# KiCad board slime88.kicad_pcb (continued)
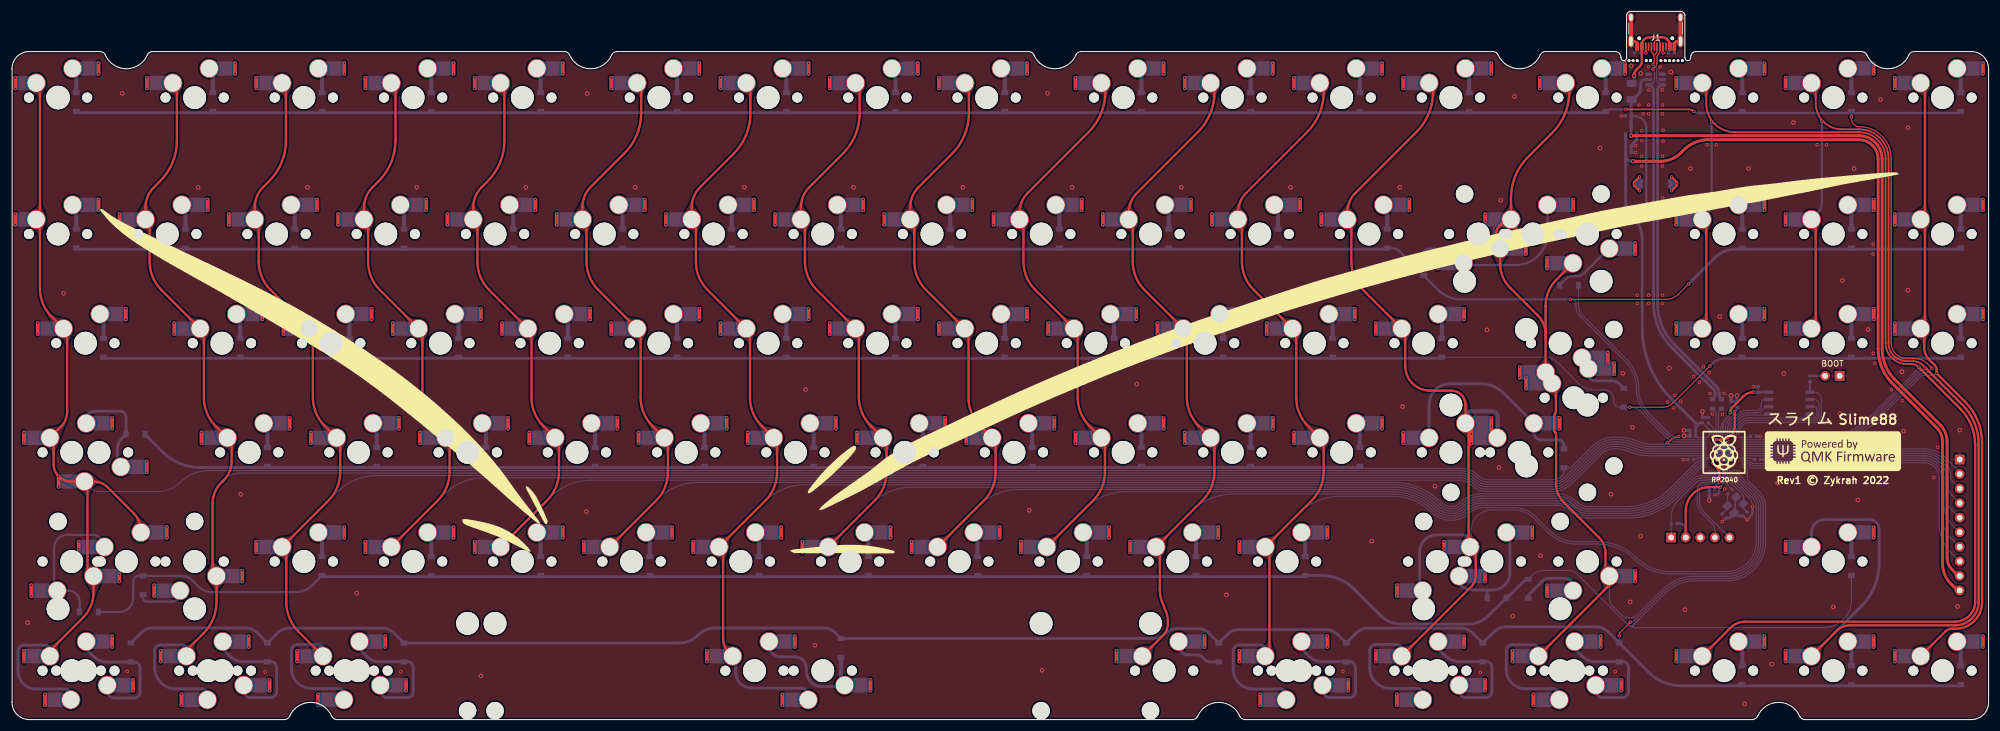
[diagram p0: board, top side]
## Copper pours and planes (outline as drawn; the poured copper is in the pictures) (continued)
COL5 on Top: 99.55,91.1 99.38,90.65 99.23,90.28 99.09,89.96 98.94,89.69 98.8,89.45 98.66,89.21 98.51,88.96 98.35,88.68 98.17,88.36 97.98,87.98 99.46,86.44 100.95,87.98 100.76,88.33 100.56,88.64 100.36,88.9 100.18,89.15 100.02,89.39 99.89,89.64 99.8,89.91 99.78,90.21 99.81,90.56 99.92,90.97
COL5 on Top: 100.38,84.12 100.4,84.56 100.45,84.93 100.53,85.24 100.63,85.51 100.74,85.76 100.85,86 100.95,86.25 101.03,86.54 101.09,86.86 101.11,87.25 99.11,88.01 98.43,85.98 98.68,85.8 98.91,85.64 99.13,85.51 99.34,85.38 99.52,85.25 99.67,85.11 99.8,84.93 99.89,84.72 99.95,84.45 99.98,84.12
COL5 on Top: 109.8,65.03 109.83,65.46 109.88,65.82 109.97,66.13 110.07,66.39 110.18,66.63 110.3,66.87 110.41,67.12 110.51,67.39 110.59,67.72 110.64,68.1 108.68,68.98 107.88,67 108.12,66.79 108.35,66.63 108.57,66.48 108.77,66.34 108.95,66.2 109.1,66.05 109.23,65.86 109.32,65.64 109.38,65.37 109.41,65.03
COL5 on Top: 109.92,107.94 109.94,108.38 109.99,108.75 110.07,109.06 110.17,109.33 110.28,109.58 110.38,109.82 110.48,110.08 110.56,110.36 110.62,110.69 110.64,111.08 108.63,111.82 107.97,109.78 108.22,109.6 108.45,109.45 108.67,109.32 108.88,109.19 109.06,109.06 109.21,108.92 109.34,108.74 109.43,108.53 109.49,108.27 109.52,107.94
COL5 on Top: 114.58,45.98 114.6,46.42 114.65,46.78 114.74,47.08 114.84,47.35 114.95,47.59 115.07,47.83 115.18,48.07 115.28,48.35 115.35,48.67 115.4,49.06 113.44,49.93 112.65,47.94 112.89,47.74 113.12,47.57 113.34,47.43 113.54,47.29 113.72,47.15 113.87,47 114,46.81 114.09,46.59 114.15,46.32 114.17,45.98
COL5 on Top: 106.41,32.58 106.12,32.32 105.85,32.14 105.6,32.02 105.36,31.94 105.12,31.9 104.87,31.88 104.61,31.86 104.33,31.83 104.03,31.77 103.69,31.67 103.64,29.53 105.79,29.57 105.89,29.91 105.94,30.22 105.97,30.5 105.99,30.76 106.02,31.01 106.06,31.25 106.13,31.49 106.25,31.74 106.43,32.01 106.7,32.3
COL5 on Bottom: 106.48,32.51 106.19,32.25 105.91,32.07 105.66,31.96 105.41,31.89 105.16,31.87 104.91,31.86 104.64,31.85 104.35,31.83 104.04,31.77 103.69,31.67 103.64,29.53 105.79,29.57 105.89,29.92 105.94,30.24 105.96,30.53 105.97,30.79 105.98,31.05 106.01,31.29 106.07,31.54 106.18,31.8 106.36,32.07 106.62,32.37
COL6 on Top: 118.6,91.03 118.43,90.59 118.28,90.22 118.14,89.92 118,89.65 117.85,89.41 117.56,88.94 117.39,88.67 117.22,88.36 117.03,87.98 118.52,86.44 120,87.98 119.81,88.33 119.62,88.62 119.42,88.88 119.24,89.12 119.08,89.36 118.95,89.6 118.86,89.86 118.83,90.16 118.86,90.5 118.97,90.9
COL6 on Top: 125.57,70.4 125.83,70.11 126.02,69.84 126.14,69.59 126.21,69.35 126.25,69.11 126.27,68.86 126.29,68.6 126.32,68.32 126.38,68.01 126.48,67.67 128.62,67.63 128.58,69.77 128.24,69.87 127.93,69.93 127.65,69.96 127.39,69.98 127.15,70 126.91,70.04 126.66,70.12 126.41,70.24 126.15,70.42 125.86,70.68
COL6 on Top: 125.46,32.58 125.17,32.32 124.9,32.14 124.65,32.02 124.41,31.94 124.17,31.9 123.92,31.88 123.66,31.86 123.38,31.83 123.08,31.77 122.74,31.67 122.69,29.53 124.84,29.57 124.94,29.91 124.99,30.22 125.02,30.5 125.04,30.76 125.07,31.01 125.11,31.25 125.18,31.49 125.3,31.74 125.48,32.01 125.75,32.3
COL6 on Top: 129.54,52.43 129.83,51.94 130.07,51.52 130.27,51.15 130.43,50.82 130.57,50.51 130.69,50.21 130.81,49.88 130.94,49.52 131.08,49.11 131.24,48.62 133.39,48.58 133.34,50.72 132.87,50.87 132.45,50.98 132.06,51.07 131.71,51.16 131.38,51.26 131.07,51.4 130.77,51.59 130.48,51.85 130.18,52.19 129.88,52.64
COL6 on Top: 128.95,107.93 128.98,108.37 129.03,108.74 129.11,109.05 129.21,109.32 129.32,109.57 129.43,109.81 129.53,110.07 129.61,110.35 129.67,110.68 129.69,111.07 127.68,111.82 127.01,109.79 127.26,109.61 127.49,109.45 127.71,109.32 127.92,109.19 128.1,109.06 128.25,108.91 128.38,108.74 128.47,108.52 128.53,108.26 128.56,107.93
COL6 on Top: 128.88,65.04 128.9,65.48 128.95,65.84 129.04,66.14 129.14,66.41 129.25,66.65 129.37,66.89 129.48,67.14 129.57,67.41 129.65,67.74 129.69,68.12 127.72,68.98 126.95,66.98 127.19,66.78 127.42,66.62 127.64,66.47 127.84,66.34 128.02,66.2 128.17,66.05 128.3,65.87 128.39,65.65 128.45,65.37 128.48,65.04
COL6 on Top: 133.61,45.97 133.63,46.41 133.68,46.77 133.77,47.07 133.87,47.33 133.98,47.57 134.1,47.81 134.22,48.06 134.32,48.33 134.4,48.65 134.45,49.04 132.5,49.93 131.68,47.95 131.92,47.75 132.15,47.58 132.37,47.43 132.57,47.29 132.75,47.15 132.9,46.99 133.03,46.81 133.12,46.59 133.18,46.31 133.2,45.97
COL6 on Top: 123.81,13.82 123.84,13.42 123.87,13.09 123.89,12.8 123.9,12.54 123.93,12.08 123.94,11.84 123.96,11.58 123.99,11.27 124.02,10.92 126.18,10.42 126.36,12.56 126.06,12.68 125.76,12.76 125.47,12.81 125.2,12.86 124.95,12.92 124.72,12.99 124.53,13.11 124.38,13.29 124.27,13.53 124.21,13.86
COL6 on Top: 124.2,26.98 124.22,27.42 124.27,27.78 124.35,28.09 124.45,28.37 124.56,28.61 124.67,28.86 124.77,29.11 124.85,29.39 124.91,29.72 124.93,30.11 122.92,30.86 122.25,28.82 122.5,28.64 122.73,28.49 122.95,28.36 123.16,28.23 123.34,28.1 123.49,27.96 123.62,27.78 123.71,27.57 123.77,27.3 123.8,26.98
COL6 on Top: 119.45,84.14 119.47,84.57 119.52,84.94 119.6,85.25 119.7,85.52 119.8,85.77 119.91,86.01 120.01,86.26 120.09,86.55 120.14,86.87 120.17,87.27 118.15,88 117.5,85.96 117.75,85.79 117.98,85.64 118.2,85.51 118.41,85.38 118.59,85.25 118.74,85.11 118.87,84.93 118.96,84.72 119.02,84.46 119.05,84.14
COL6 on Bottom: 126.87,6.88 126.61,7.35 126.47,7.77 126.44,8.15 126.48,8.5 126.59,8.84 126.74,9.19 126.9,9.55 127.06,9.94 127.2,10.37 127.3,10.87 125.39,11.85 124.49,9.9 124.8,9.56 125.05,9.25 125.24,8.96 125.39,8.68 125.52,8.4 125.65,8.11 125.79,7.8 125.96,7.45 126.17,7.05 126.46,6.6
COL6 on Bottom: 136.97,5.23 137.15,5.2 137.28,5.14 137.36,5.04 137.41,4.91 137.42,4.76 137.41,4.59 137.37,4.41 137.33,4.21 137.28,4.02 137.23,3.84 139.01,2.64 138.83,5.09 138.6,5.11 138.4,5.16 138.23,5.23 138.09,5.32 137.94,5.41 137.8,5.5 137.64,5.59 137.46,5.66 137.24,5.71 136.97,5.73
COL6 on Bottom: 125.53,32.51 125.24,32.25 124.96,32.07 124.71,31.96 124.46,31.89 124.21,31.87 123.96,31.86 123.69,31.85 123.4,31.83 123.09,31.77 122.74,31.67 122.69,29.53 124.84,29.57 124.94,29.92 124.99,30.24 125.01,30.53 125.02,30.79 125.03,31.05 125.06,31.29 125.12,31.54 125.23,31.8 125.41,32.07 125.67,32.37
COL7 on Top: 144.51,32.58 144.22,32.32 143.95,32.14 143.7,32.02 143.46,31.94 143.22,31.9 142.97,31.88 142.71,31.86 142.43,31.83 142.13,31.77 141.79,31.67 141.74,29.53 143.89,29.57 143.99,29.91 144.04,30.22 144.07,30.5 144.09,30.76 144.12,31.01 144.16,31.25 144.23,31.49 144.35,31.74 144.53,32.01 144.8,32.3
COL7 on Top: 148,107.93 148.03,108.37 148.08,108.74 148.16,109.05 148.26,109.32 148.37,109.57 148.48,109.81 148.58,110.07 148.66,110.35 148.72,110.68 148.74,111.07 146.73,111.82 146.06,109.79 146.31,109.61 146.54,109.45 146.76,109.32 146.97,109.19 147.15,109.06 147.3,108.91 147.43,108.74 147.52,108.52 147.58,108.26 147.61,107.93
COL7 on Top: 147.87,65.01 147.89,65.44 147.94,65.8 148.03,66.1 148.13,66.36 148.25,66.6 148.37,66.84 148.49,67.08 148.59,67.35 148.68,67.67 148.73,68.06 146.8,68.99 145.95,67.03 146.19,66.81 146.41,66.64 146.63,66.49 146.83,66.34 147.01,66.2 147.16,66.04 147.29,65.86 147.38,65.63 147.44,65.35 147.46,65.01
COL7 on Top: 144.62,70.4 144.88,70.11 145.07,69.84 145.19,69.59 145.26,69.35 145.3,69.11 145.32,68.86 145.34,68.6 145.37,68.32 145.43,68.01 145.53,67.67 147.67,67.63 147.63,69.77 147.29,69.87 146.98,69.93 146.7,69.96 146.44,69.98 146.2,70 145.96,70.04 145.71,70.12 145.46,70.24 145.2,70.42 144.91,70.68
COL7 on Top: 152.69,45.98 152.71,46.42 152.76,46.78 152.85,47.09 152.95,47.35 153.06,47.59 153.18,47.83 153.29,48.08 153.38,48.36 153.46,48.68 153.5,49.07 151.54,49.93 150.75,47.93 151,47.73 151.23,47.57 151.45,47.42 151.65,47.29 151.83,47.15 151.98,46.99 152.11,46.81 152.2,46.59 152.26,46.32 152.29,45.98
COL7 on Top: 138.46,84.12 138.49,84.55 138.54,84.92 138.62,85.23 138.72,85.5 138.83,85.75 138.94,85.99 139.04,86.24 139.13,86.52 139.19,86.85 139.21,87.24 137.22,88.01 136.52,85.99 136.77,85.8 137,85.65 137.22,85.51 137.43,85.38 137.61,85.25 137.76,85.1 137.89,84.93 137.98,84.71 138.04,84.44 138.06,84.12
COL7 on Top: 137.65,91.04 137.48,90.6 137.33,90.23 137.19,89.92 137.05,89.66 136.9,89.42 136.61,88.94 136.44,88.67 136.27,88.36 136.08,87.98 137.56,86.44 139.05,87.98 138.86,88.33 138.66,88.62 138.47,88.88 138.29,89.13 138.12,89.36 138,89.6 137.91,89.87 137.88,90.16 137.91,90.51 138.02,90.91
COL7 on Top: 148.53,52.49 148.83,51.99 149.08,51.56 149.28,51.19 149.45,50.86 149.59,50.54 149.72,50.23 149.85,49.9 149.98,49.54 150.29,48.62 152.44,48.58 152.39,50.72 151.91,50.88 151.48,50.99 151.09,51.08 150.73,51.18 150.39,51.29 150.08,51.43 149.77,51.62 149.48,51.89 149.18,52.24 148.87,52.7
COL7 on Bottom: 144.58,32.51 144.29,32.25 144.01,32.07 143.76,31.96 143.51,31.89 143.26,31.87 143.01,31.86 142.74,31.85 142.45,31.83 142.14,31.77 141.79,31.67 141.74,29.53 143.89,29.57 143.99,29.92 144.04,30.24 144.06,30.53 144.07,30.79 144.08,31.05 144.11,31.29 144.17,31.54 144.28,31.8 144.46,32.07 144.72,32.37
COL8 on Top: 167.65,52.42 167.94,51.93 168.18,51.51 168.38,51.15 168.54,50.82 168.68,50.51 168.8,50.2 168.92,49.88 169.04,49.52 169.18,49.11 169.34,48.62 171.49,48.58 171.44,50.72 170.97,50.87 170.55,50.98 170.16,51.07 169.81,51.16 169.48,51.26 169.17,51.4 168.88,51.58 168.58,51.84 168.29,52.18 167.99,52.63
COL8 on Top: 166.99,65.04 167.01,65.48 167.06,65.84 167.14,66.14 167.25,66.41 167.36,66.65 167.47,66.89 167.58,67.14 167.68,67.42 167.75,67.74 167.79,68.13 165.82,68.97 165.05,66.97 165.3,66.78 165.53,66.61 165.75,66.47 165.95,66.34 166.13,66.2 166.28,66.05 166.41,65.87 166.5,65.65 166.56,65.37 166.58,65.04
COL8 on Top: 163.56,32.58 163.27,32.32 163,32.14 162.75,32.02 162.51,31.94 162.27,31.9 162.02,31.88 161.76,31.86 161.48,31.83 161.18,31.77 160.84,31.67 160.79,29.53 162.94,29.57 163.04,29.91 163.09,30.22 163.12,30.5 163.14,30.76 163.17,31.01 163.21,31.25 163.28,31.49 163.4,31.74 163.58,32.01 163.85,32.3
COL8 on Top: 167.06,107.93 167.08,108.37 167.13,108.74 167.21,109.05 167.31,109.32 167.42,109.57 167.53,109.81 167.63,110.07 167.71,110.35 167.77,110.68 167.79,111.07 165.78,111.82 165.11,109.79 165.36,109.61 165.59,109.45 165.81,109.32 166.02,109.19 166.2,109.06 166.35,108.91 166.48,108.74 166.57,108.52 166.63,108.26 166.66,107.93
COL8 on Top: 156.7,91.04 156.53,90.6 156.38,90.23 156.24,89.92 156.1,89.66 155.95,89.42 155.66,88.94 155.49,88.67 155.32,88.36 155.13,87.98 156.62,86.44 158.1,87.98 157.91,88.33 157.71,88.62 157.52,88.88 157.34,89.13 157.17,89.36 157.05,89.6 156.96,89.87 156.93,90.16 156.96,90.51 157.07,90.91
COL8 on Top: 163.67,70.4 163.93,70.11 164.12,69.84 164.24,69.59 164.31,69.35 164.35,69.11 164.37,68.86 164.39,68.6 164.42,68.32 164.48,68.01 164.58,67.67 166.72,67.63 166.68,69.77 166.34,69.87 166.03,69.93 165.75,69.96 165.49,69.98 165.25,70 165.01,70.04 164.76,70.12 164.51,70.24 164.25,70.42 163.96,70.68
COL8 on Top: 157.54,84.12 157.56,84.57 157.61,84.93 157.69,85.24 157.79,85.51 157.9,85.76 158.01,86.01 158.11,86.26 158.19,86.54 158.24,86.87 158.26,87.26 156.26,88.01 155.59,85.97 155.84,85.79 156.07,85.64 156.29,85.51 156.5,85.38 156.68,85.25 156.83,85.1 156.96,84.93 157.05,84.72 157.11,84.45 157.13,84.12
COL8 on Top: 171.71,45.98 171.74,46.42 171.79,46.78 171.88,47.08 171.98,47.34 172.09,47.58 172.21,47.82 172.32,48.07 172.42,48.34 172.5,48.66 172.55,49.05 170.6,49.93 169.79,47.95 170.03,47.74 170.26,47.58 170.48,47.43 170.68,47.29 170.86,47.15 171.01,47 171.14,46.81 171.23,46.59 171.29,46.32 171.31,45.98
COL8 on Bottom: 163.63,32.51 163.34,32.25 163.06,32.07 162.81,31.96 162.56,31.89 162.31,31.87 162.06,31.86 161.79,31.85 161.5,31.83 161.19,31.77 160.84,31.67 160.79,29.53 162.94,29.57 163.04,29.92 163.09,30.24 163.11,30.53 163.12,30.79 163.13,31.05 163.16,31.29 163.22,31.54 163.33,31.8 163.51,32.07 163.77,32.37
COL9 on Top: 190.72,107.9 190.8,108.31 190.88,108.65 190.97,108.93 191.06,109.19 191.16,109.42 191.25,109.64 191.34,109.88 191.43,110.14 191.51,110.44 191.58,110.81 189.6,111.82 188.91,109.8 189.15,109.62 189.38,109.47 189.6,109.33 189.81,109.2 189.99,109.07 190.14,108.92 190.25,108.74 190.32,108.53 190.35,108.27 190.32,107.96
COL9 on Top: 186.02,65.04 186.05,65.48 186.1,65.84 186.19,66.14 186.29,66.41 186.4,66.65 186.52,66.89 186.63,67.14 186.72,67.41 186.8,67.74 186.84,68.12 184.87,68.98 184.1,66.98 184.34,66.78 184.57,66.62 184.79,66.47 184.99,66.34 185.17,66.2 185.32,66.05 185.45,65.87 185.54,65.65 185.6,65.37 185.62,65.04
COL9 on Top: 186.69,52.43 186.98,51.94 187.22,51.52 187.42,51.15 187.58,50.82 187.72,50.51 187.84,50.21 187.96,49.88 188.09,49.52 188.23,49.11 188.39,48.62 190.54,48.58 190.49,50.72 190.02,50.87 189.6,50.98 189.21,51.07 188.86,51.16 188.53,51.26 188.22,51.4 187.92,51.59 187.63,51.85 187.33,52.19 187.03,52.64
COL9 on Top: 190.79,45.98 190.81,46.42 190.86,46.78 190.95,47.09 191.05,47.35 191.16,47.59 191.28,47.83 191.39,48.08 191.48,48.36 191.56,48.68 191.6,49.07 189.64,49.93 188.85,47.93 189.1,47.73 189.33,47.57 189.55,47.42 189.75,47.29 189.93,47.15 190.08,46.99 190.21,46.81 190.3,46.59 190.36,46.32 190.38,45.98
COL9 on Top: 182.61,32.58 182.32,32.32 182.05,32.14 181.8,32.02 181.56,31.94 181.32,31.9 181.07,31.88 180.81,31.86 180.53,31.83 180.23,31.77 179.89,31.67 179.84,29.53 181.99,29.57 182.09,29.91 182.14,30.22 182.17,30.5 182.19,30.76 182.22,31.01 182.26,31.25 182.33,31.49 182.45,31.74 182.63,32.01 182.9,32.3
COL9 on Top: 175.96,90.59 175.77,90.22 175.59,89.91 175.42,89.66 175.26,89.45 175.09,89.26 174.93,89.07 174.77,88.87 174.59,88.65 174.41,88.39 174.22,88.07 175.62,86.44 177.19,87.9 177.04,88.2 176.87,88.47 176.69,88.7 176.52,88.91 176.37,89.12 176.25,89.33 176.18,89.55 176.15,89.8 176.2,90.09 176.33,90.42
COL9 on Top: 182.72,70.4 182.98,70.11 183.17,69.84 183.29,69.59 183.36,69.35 183.4,69.11 183.42,68.86 183.44,68.6 183.47,68.32 183.53,68.01 183.63,67.67 185.77,67.63 185.73,69.77 185.39,69.87 185.08,69.93 184.8,69.96 184.54,69.98 184.3,70 184.06,70.04 183.81,70.12 183.56,70.24 183.3,70.42 183.01,70.68
COL9 on Top: 176.57,84.12 176.6,84.56 176.65,84.93 176.73,85.24 176.83,85.51 176.94,85.76 177.05,86 177.15,86.25 177.23,86.54 177.29,86.86 177.31,87.25 175.31,88.01 174.63,85.98 174.88,85.8 175.11,85.64 175.33,85.51 175.54,85.38 175.72,85.25 175.87,85.11 176,84.93 176.09,84.72 176.15,84.45 176.18,84.12
COL9 on Bottom: 182.68,32.51 182.39,32.25 182.11,32.07 181.86,31.96 181.61,31.89 181.36,31.87 181.11,31.86 180.84,31.85 180.55,31.83 180.24,31.77 179.89,31.67 179.84,29.53 181.99,29.57 182.09,29.92 182.14,30.24 182.16,30.53 182.17,30.79 182.18,31.05 182.21,31.29 182.27,31.54 182.38,31.8 182.56,32.07 182.82,32.37
COL10 on Top: 200.35,26.95 200.37,27.39 200.42,27.75 200.5,28.06 200.61,28.32 200.72,28.57 200.83,28.81 200.93,29.06 201.03,29.34 201.09,29.67 201.13,30.05 199.15,30.87 198.41,28.86 198.65,28.67 198.89,28.51 199.1,28.37 199.31,28.23 199.49,28.1 199.64,27.95 199.77,27.77 199.86,27.55 199.92,27.28 199.94,26.95
COL10 on Top: 205.73,52.44 206.02,51.95 206.27,51.53 206.46,51.16 206.63,50.83 206.77,50.52 206.89,50.21 207.01,49.88 207.14,49.52 207.28,49.11 207.44,48.62 209.59,48.58 209.54,50.72 209.07,50.87 208.64,50.98 208.26,51.07 207.9,51.16 207.57,51.27 207.26,51.41 206.96,51.6 206.67,51.85 206.37,52.2 206.07,52.65
COL10 on Top: 209.87,46 209.89,46.44 209.94,46.8 210.02,47.11 210.13,47.38 210.24,47.62 210.35,47.86 210.46,48.11 210.55,48.39 210.62,48.71 210.65,49.1 208.67,49.92 207.93,47.91 208.17,47.72 208.41,47.56 208.63,47.42 208.83,47.29 209.01,47.15 209.16,47 209.29,46.82 209.38,46.6 209.44,46.33 209.46,46
COL10 on Top: 195.62,84.12 195.65,84.56 195.7,84.93 195.78,85.24 195.88,85.51 195.99,85.76 196.1,86 196.2,86.25 196.28,86.54 196.34,86.86 196.36,87.25 194.36,88.01 193.68,85.98 193.93,85.8 194.16,85.64 194.38,85.51 194.59,85.38 194.77,85.25 194.92,85.11 195.05,84.93 195.14,84.72 195.2,84.45 195.23,84.12
COL10 on Top: 195.01,90.59 194.82,90.22 194.64,89.91 194.47,89.66 194.31,89.45 194.14,89.26 193.98,89.07 193.82,88.87 193.64,88.65 193.46,88.39 193.27,88.07 194.67,86.44 196.24,87.9 196.09,88.2 195.92,88.47 195.74,88.7 195.57,88.91 195.42,89.12 195.3,89.33 195.23,89.55 195.2,89.8 195.25,90.09 195.38,90.42
COL10 on Top: 209.76,107.89 209.84,108.3 209.92,108.64 210.01,108.93 210.11,109.18 210.2,109.41 210.3,109.64 210.39,109.87 210.48,110.14 210.56,110.44 210.63,110.81 208.66,111.83 207.95,109.8 208.19,109.62 208.43,109.47 208.65,109.33 208.85,109.2 209.03,109.06 209.18,108.91 209.29,108.73 209.37,108.52 209.39,108.27 209.36,107.95
COL10 on Top: 201.77,70.4 202.03,70.11 202.22,69.84 202.34,69.59 202.41,69.35 202.45,69.11 202.47,68.86 202.49,68.6 202.52,68.32 202.58,68.01 202.68,67.67 204.82,67.63 204.78,69.77 204.44,69.87 204.13,69.93 203.85,69.96 203.59,69.98 203.35,70 203.11,70.04 202.86,70.12 202.61,70.24 202.35,70.42 202.06,70.68
COL10 on Top: 199.28,13.53 198.99,13.27 198.72,13.09 198.47,12.97 198.23,12.89 197.99,12.85 197.74,12.83 197.48,12.81 197.2,12.78 196.9,12.72 196.55,12.62 196.51,10.48 198.65,10.52 198.75,10.86 198.81,11.17 198.84,11.45 198.86,11.71 198.89,11.96 198.93,12.2 199,12.44 199.12,12.69 199.3,12.96 199.56,13.25
COL10 on Top: 205.06,65.03 205.09,65.47 205.14,65.83 205.23,66.13 205.33,66.4 205.44,66.64 205.56,66.88 205.67,67.12 205.77,67.4 205.84,67.72 205.89,68.11 203.93,68.98 203.14,66.99 203.38,66.79 203.61,66.62 203.83,66.48 204.03,66.34 204.21,66.2 204.36,66.04 204.49,65.86 204.58,65.64 204.64,65.37 204.67,65.03
COL10 on Top: 201.66,32.58 201.37,32.32 201.1,32.14 200.85,32.02 200.61,31.94 200.37,31.9 200.12,31.88 199.86,31.86 199.58,31.83 199.28,31.77 198.94,31.67 198.89,29.53 201.04,29.57 201.14,29.91 201.19,30.22 201.22,30.5 201.24,30.76 201.27,31.01 201.31,31.25 201.38,31.49 201.5,31.74 201.68,32.01 201.95,32.3
COL10 on Bottom: 201.73,32.51 201.44,32.25 201.16,32.07 200.91,31.96 200.66,31.89 200.41,31.87 200.16,31.86 199.89,31.85 199.6,31.83 199.29,31.77 198.94,31.67 198.89,29.53 201.04,29.57 201.14,29.92 201.19,30.24 201.21,30.53 201.22,30.79 201.23,31.05 201.26,31.29 201.32,31.54 201.43,31.8 201.61,32.07 201.87,32.37
COL11 on Top: 224.81,52.41 225.1,51.92 225.34,51.5 225.53,51.14 225.69,50.81 225.83,50.5 225.95,50.2 226.07,49.87 226.19,49.51 226.33,49.1 226.49,48.62 228.64,48.58 228.59,50.72 228.13,50.87 227.7,50.98 227.32,51.07 226.97,51.16 226.64,51.26 226.33,51.39 226.03,51.58 225.74,51.83 225.45,52.17 225.15,52.62
COL11 on Top: 219.07,14.19 219.05,13.87 218.99,13.61 218.9,13.4 218.77,13.22 218.62,13.08 218.44,12.95 218.23,12.83 218.01,12.7 217.77,12.55 217.53,12.38 218.16,10.33 220.18,11.06 220.16,11.45 220.1,11.78 220.03,12.06 219.93,12.32 219.83,12.56 219.72,12.81 219.63,13.08 219.55,13.39 219.49,13.75 219.48,14.19
COL11 on Top: 224.15,65.05 224.17,65.49 224.22,65.85 224.3,66.16 224.41,66.42 224.52,66.67 224.63,66.9 224.74,67.15 224.83,67.43 224.9,67.76 224.94,68.14 222.96,68.97 222.21,66.97 222.46,66.77 222.69,66.61 222.91,66.47 223.11,66.34 223.29,66.2 223.44,66.05 223.57,65.87 223.66,65.65 223.72,65.38 223.75,65.05
COL11 on Top: 219.48,26.99 219.49,27.43 219.55,27.79 219.63,28.1 219.72,28.37 219.83,28.62 219.93,28.86 220.03,29.12 220.1,29.4 220.16,29.73 220.18,30.12 218.16,30.85 217.53,28.8 217.77,28.63 218.01,28.48 218.23,28.35 218.44,28.23 218.62,28.1 218.77,27.96 218.9,27.78 218.99,27.57 219.05,27.31 219.07,26.99
COL11 on Top: 220.71,32.58 220.42,32.32 220.15,32.14 219.9,32.02 219.66,31.94 219.42,31.9 219.17,31.88 218.91,31.86 218.63,31.83 218.33,31.77 217.99,31.67 217.94,29.53 220.09,29.57 220.19,29.91 220.24,30.22 220.27,30.5 220.29,30.76 220.32,31.01 220.36,31.25 220.43,31.49 220.55,31.74 220.73,32.01 221,32.3
COL11 on Top: 220.82,70.4 221.08,70.11 221.27,69.84 221.39,69.59 221.46,69.35 221.5,69.11 221.52,68.86 221.54,68.6 221.57,68.32 221.63,68.01 221.73,67.67 223.87,67.63 223.83,69.77 223.49,69.87 223.18,69.93 222.9,69.96 222.64,69.98 222.4,70 222.16,70.04 221.91,70.12 221.66,70.24 221.4,70.42 221.11,70.68
COL11 on Top: 228.93,46 228.95,46.44 229,46.8 229.08,47.11 229.19,47.38 229.3,47.63 229.41,47.87 229.51,48.12 229.6,48.4 229.67,48.72 229.7,49.11 227.72,49.92 226.99,47.9 227.23,47.71 227.47,47.56 227.68,47.42 227.89,47.29 228.07,47.15 228.22,47 228.35,46.82 228.44,46.6 228.5,46.33 228.53,46
COL11 on Top: 228.81,107.89 228.89,108.3 228.97,108.64 229.06,108.93 229.16,109.18 229.25,109.41 229.35,109.64 229.44,109.87 229.53,110.14 229.61,110.44 229.68,110.81 227.71,111.83 227,109.8 227.24,109.62 227.48,109.47 227.7,109.33 227.9,109.2 228.08,109.06 228.23,108.91 228.34,108.73 228.42,108.52 228.44,108.27 228.41,107.95
COL11 on Top: 214.06,90.59 213.87,90.22 213.69,89.91 213.52,89.66 213.36,89.45 213.19,89.26 213.03,89.07 212.87,88.87 212.69,88.65 212.51,88.39 212.32,88.07 213.72,86.44 215.29,87.9 215.14,88.2 214.97,88.47 214.79,88.7 214.62,88.91 214.47,89.12 214.35,89.33 214.28,89.55 214.25,89.8 214.3,90.09 214.43,90.42
COL11 on Top: 214.67,84.12 214.69,84.55 214.74,84.92 214.82,85.23 214.92,85.5 215.03,85.75 215.14,85.99 215.24,86.24 215.33,86.52 215.39,86.85 215.41,87.24 213.42,88.01 212.72,85.99 212.97,85.8 213.2,85.65 213.42,85.51 213.63,85.38 213.81,85.25 213.96,85.1 214.09,84.93 214.18,84.71 214.24,84.44 214.26,84.12
COL11 on Bottom: 220.78,32.51 220.49,32.25 220.21,32.07 219.96,31.96 219.71,31.89 219.46,31.87 219.21,31.86 218.94,31.85 218.65,31.83 218.34,31.77 217.99,31.67 217.94,29.53 220.09,29.57 220.19,29.92 220.24,30.24 220.26,30.53 220.27,30.79 220.28,31.05 220.31,31.29 220.37,31.54 220.48,31.8 220.66,32.07 220.92,32.37
COL11 on Bottom: 220.16,5.08 220.34,5.06 220.48,5 220.58,4.91 220.63,4.78 220.66,4.64 220.66,4.47 220.65,4.3 220.62,4.11 220.59,3.92 220.55,3.74 222.4,2.65 222.18,5.09 221.93,5.11 221.72,5.15 221.53,5.2 221.37,5.27 221.22,5.34 221.06,5.41 220.88,5.48 220.68,5.53 220.44,5.57 220.16,5.58
COL11 on Bottom: 216.73,12.75 216.88,12.73 217,12.68 217.07,12.59 217.11,12.48 217.13,12.35 217.12,12.2 217.09,12.05 217.05,11.89 217.01,11.73 216.96,11.57 218.64,10.25 218.53,12.72 218.3,12.73 218.11,12.77 217.95,12.83 217.81,12.9 217.67,12.98 217.53,13.06 217.37,13.14 217.2,13.2 216.98,13.24 216.73,13.25
COL12 on Top: 247.88,107.91 247.95,108.31 248.04,108.65 248.13,108.94 248.22,109.19 248.31,109.42 248.41,109.64 248.5,109.88 248.58,110.14 248.66,110.44 248.73,110.81 246.75,111.82 246.07,109.79 246.31,109.61 246.54,109.46 246.76,109.33 246.97,109.2 247.15,109.07 247.3,108.92 247.41,108.74 247.48,108.54 247.51,108.28 247.48,107.97
COL12 on Top: 257.67,51.07 257.67,50.89 257.66,50.72 257.65,50.57 257.64,50.43 257.62,50.3 257.6,50.18 257.58,50.08 257.56,49.99 257.53,49.91 257.51,49.85 259.53,48.52 258.66,50.78 258.63,50.78 258.59,50.78 258.54,50.79 258.49,50.8 258.44,50.83 258.39,50.86 258.34,50.89 258.3,50.94 258.28,51 258.27,51.07
COL12 on Top: 254.8,49.81 254.8,49.99 254.81,50.15 254.82,50.31 254.83,50.45 254.85,50.58 254.87,50.7 254.89,50.8 254.91,50.89 254.93,50.97 254.96,51.03 252.93,52.35 253.81,50.09 253.84,50.1 253.88,50.09 253.93,50.08 253.98,50.07 254.03,50.05 254.08,50.02 254.13,49.98 254.16,49.93 254.19,49.87 254.2,49.81
COL12 on Top: 252.76,56.36 253.06,55.91 253.23,55.5 253.29,55.12 253.25,54.76 253.13,54.4 252.94,54.05 252.72,53.68 252.47,53.3 252.21,52.88 251.97,52.42 253.45,50.88 254.74,52.74 254.44,53.16 254.24,53.54 254.11,53.91 254.03,54.26 253.96,54.6 253.89,54.96 253.79,55.32 253.64,55.72 253.41,56.14 253.07,56.61
COL12 on Top: 254.21,48.49 254.23,48.92 254.28,49.28 254.37,49.58 254.47,49.84 254.59,50.08 254.71,50.31 254.83,50.55 254.94,50.82 255.03,51.14 255.09,51.52 253.18,52.48 252.29,50.53 252.53,50.32 252.76,50.14 252.97,49.98 253.17,49.84 253.35,49.69 253.5,49.53 253.63,49.34 253.72,49.12 253.78,48.84 253.81,48.49
COL12 on Top: 244.52,13.53 244.23,13.27 243.97,13.09 243.72,12.97 243.47,12.89 243.23,12.85 242.99,12.83 242.73,12.81 242.45,12.78 242.14,12.72 241.8,12.62 241.76,10.48 243.9,10.52 244,10.86 244.06,11.17 244.09,11.45 244.11,11.71 244.13,11.96 244.17,12.2 244.24,12.44 244.36,12.69 244.55,12.96 244.81,13.25
COL12 on Top: 255.44,27.15 255.46,27.56 255.49,27.9 255.54,28.2 255.6,28.46 255.67,28.69 255.74,28.93 255.8,29.17 255.85,29.44 255.88,29.75 255.9,30.12 253.75,30.77 253.5,28.65 253.75,28.53 253.98,28.43 254.21,28.33 254.41,28.24 254.59,28.14 254.74,28.01 254.87,27.86 254.97,27.67 255.02,27.44 255.05,27.15
COL12 on Top: 233.75,84.14 233.77,84.57 233.82,84.94 233.9,85.25 234,85.52 234.11,85.77 234.21,86.01 234.31,86.26 234.39,86.55 234.44,86.87 234.47,87.27 232.45,88 231.8,85.96 232.05,85.79 232.28,85.64 232.5,85.51 232.71,85.38 232.89,85.25 233.04,85.11 233.17,84.93 233.26,84.72 233.32,84.46 233.35,84.14
COL12 on Top: 253.81,33.41 253.78,33 253.73,32.66 253.64,32.38 253.52,32.14 253.39,31.92 253.24,31.71 253.09,31.49 252.94,31.25 252.8,30.96 252.67,30.61 254.37,29.3 255.61,31.04 255.41,31.32 255.2,31.54 255.01,31.74 254.82,31.91 254.65,32.09 254.5,32.27 254.38,32.48 254.29,32.73 254.23,33.03 254.21,33.41
COL12 on Top: 239.87,70.4 240.13,70.11 240.32,69.84 240.44,69.59 240.51,69.35 240.55,69.11 240.57,68.86 240.59,68.6 240.62,68.32 240.68,68.01 240.78,67.67 242.92,67.63 242.88,69.77 242.54,69.87 242.23,69.93 241.95,69.96 241.69,69.98 241.45,70 241.21,70.04 240.96,70.12 240.71,70.24 240.45,70.42 240.16,70.68